# Altium PCB Digitalizador_RPi.PcbDoc (part 2 of 3)
Units mm, origin at the board's own origin, x right, y up, seen from the top; angles counter-clockwise.
Board outline 132.08 x 105.41 mm, 2 copper layers (Top Layer, Bottom Layer); 278 components, 186 nets, 854 pads, 225 vias.
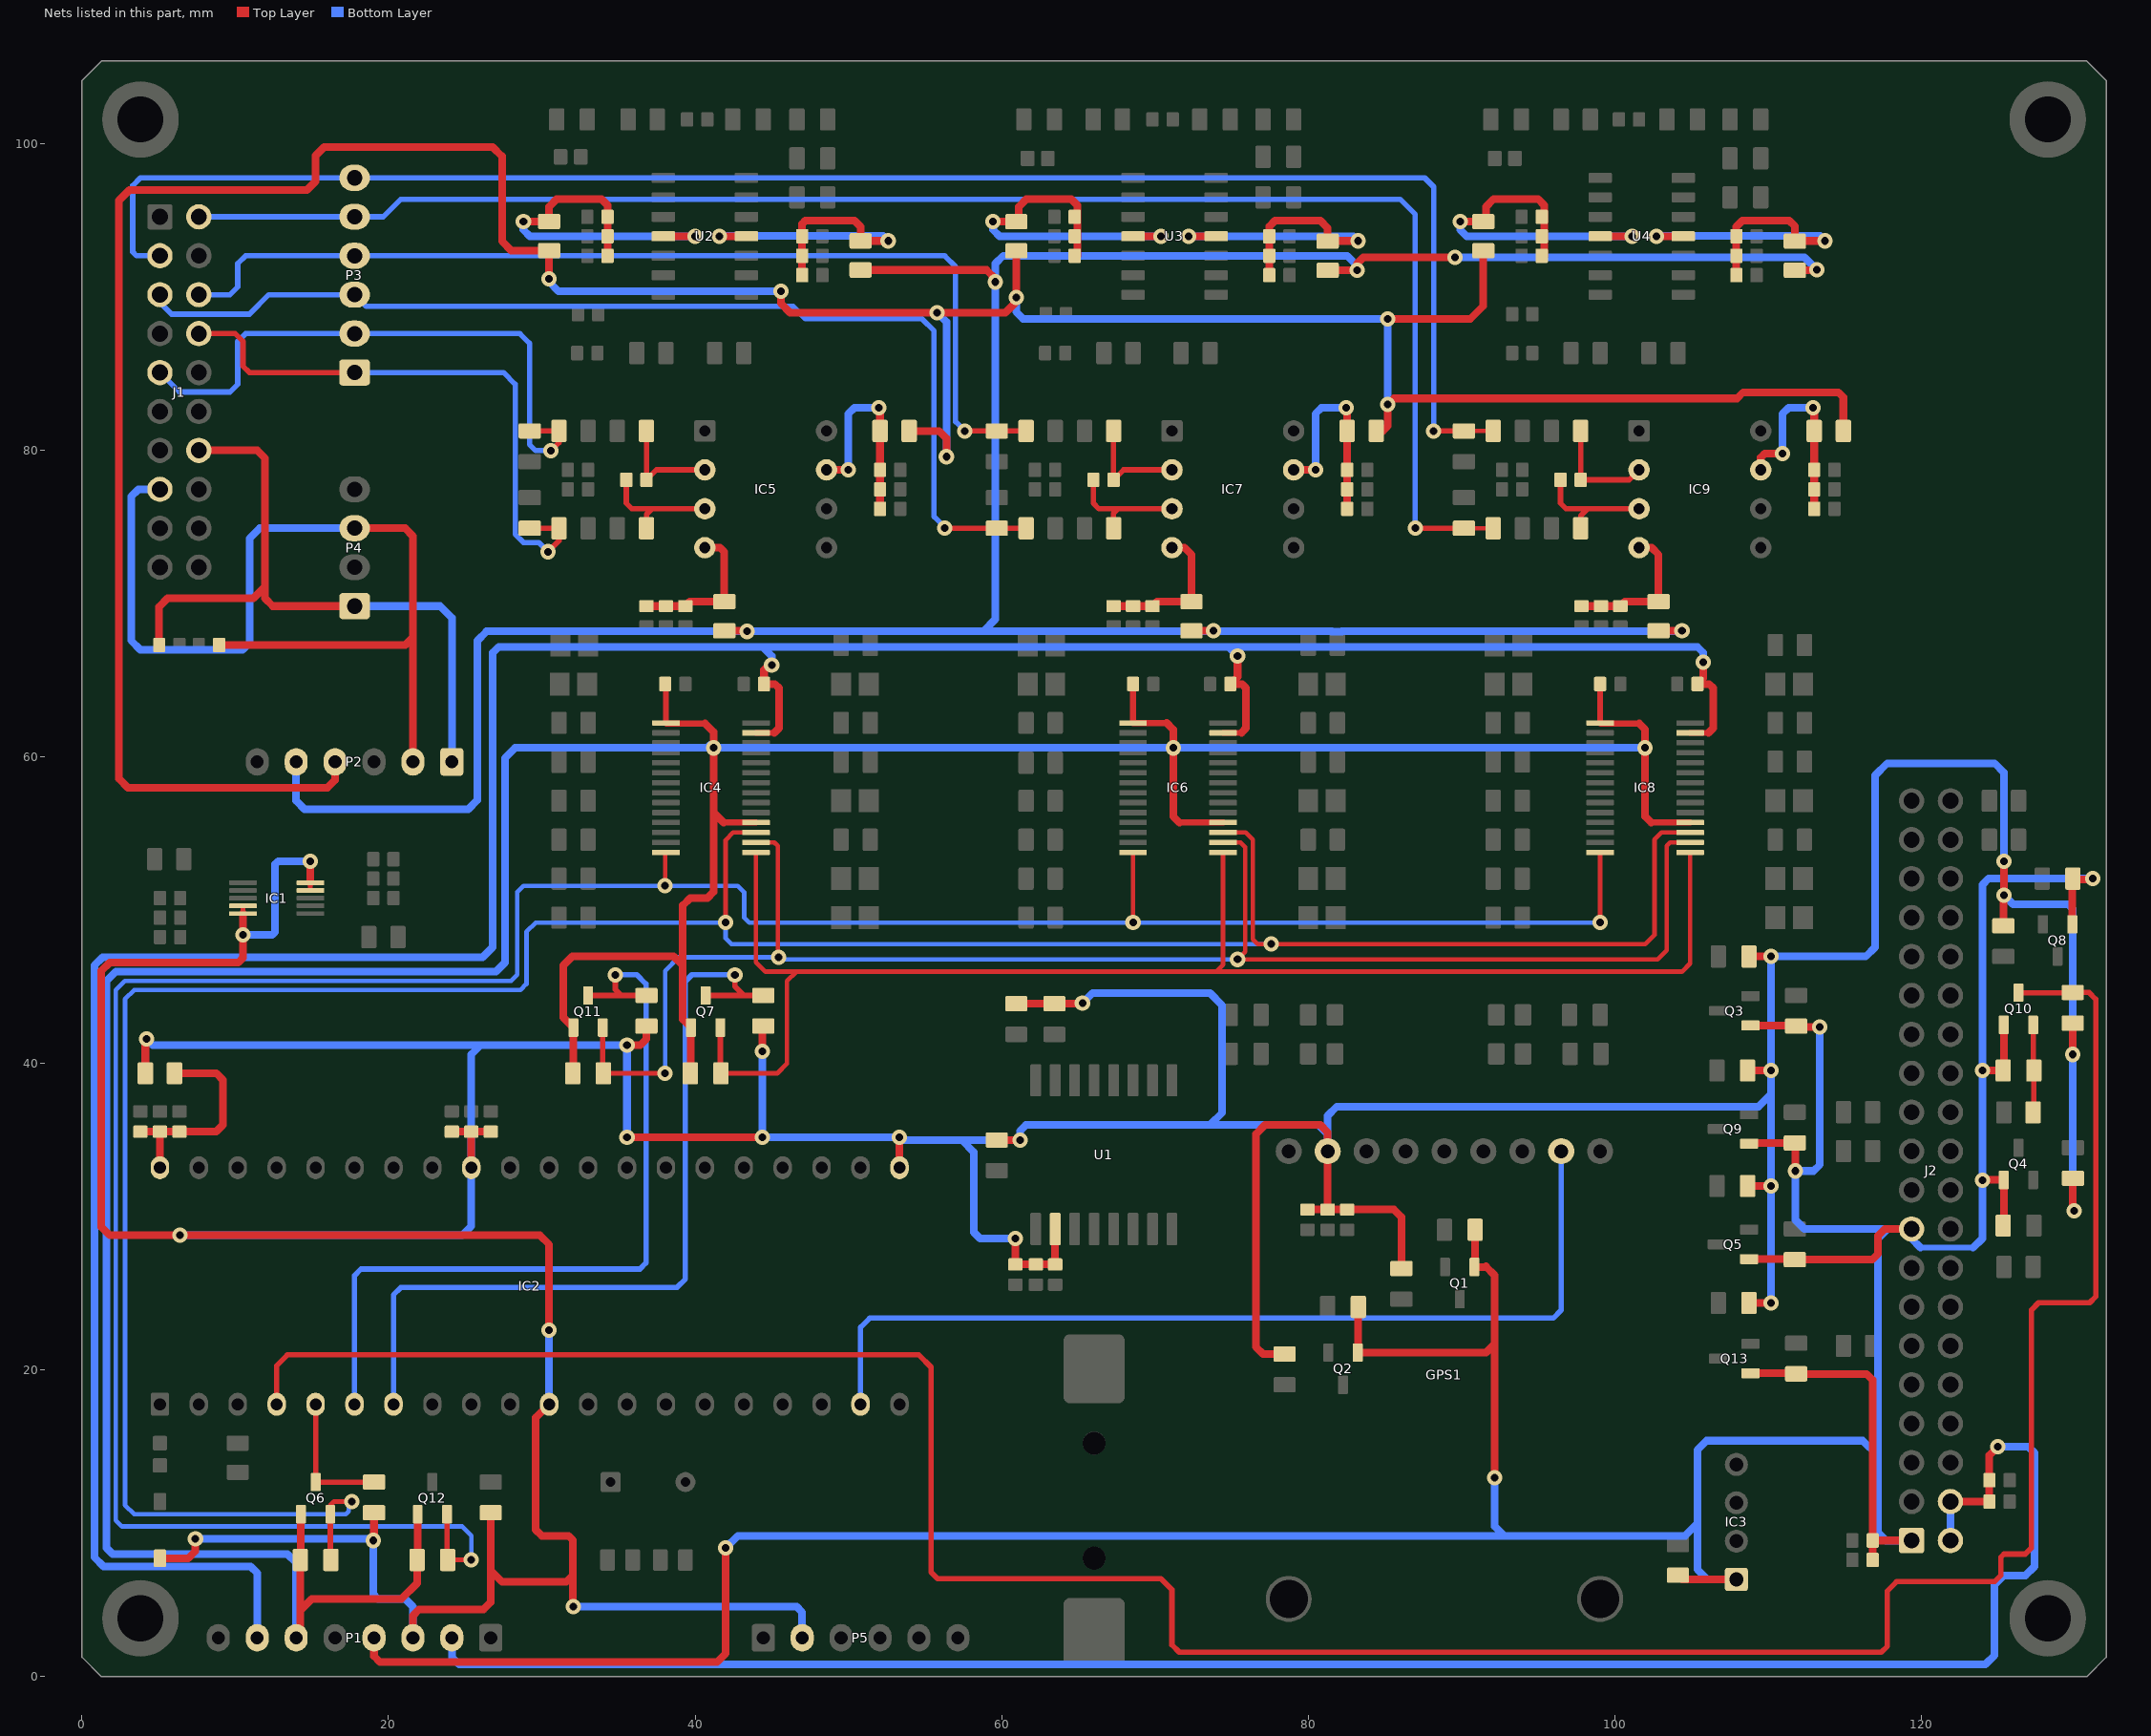
[diagram p2: the nets of this part, all layers, seen from the top]

## Part data
BT1: "Battery Holder", JLCPCB Basic=No, JLCPCB Part #=C969906, Manufacturer_Name=Q&J, Package=BAT-SMD, Datasheet Link=https://datasheet.lcsc.com/lcsc/2101071835_Q&J-CR1220-2ZX_C969906.pdf, Height=4mm, Info="SMD Battery Box/Battery Holders ROHS", JLCPCB Price=0.2596, Manufacturer_Part_Number=CR1220-2ZX
C1 C4 C9 C12 C19 C22 C29 C32 C42 C45 C50 C53 C63 C66 C71 C74 C84 C87: "Capacitor", JLCPCB Part #=C15849, Manufacturer_Name="Samsung Electro-Mechanics", Mouser Part Number=187-CL10A105KB8NNNC, Package=0603, Arrow Part Number=CL10A105KB8NNNC, Arrow Price/Stock=https://www.arrow.com/en/products/cl10a105kb8nnnc/samsung-electro-mechanics, Datasheet Link=http://www.samsungsem.com/kr/support/product-search/mlcc/__icsFiles/afieldfile/2018/06/20/CL10A105KB8NNNC.pdf, Height=0.9mm, JLCPCB Price=0.0125, Manufacturer_Part_Number=CL10A105KB8NNNC, Mouser Price/Stock=https://www.mouser.co.uk/ProductDetail/Samsung-Electro-Mechanics/CL10A105KB8NNNC?qs=ktYoCbbtCSJz4pFCLWXd5g%3D%3D
C2 C5 C7 C8 C10 C13 C15 C17 C20 C23 C30 C33 C36 C37 C43 C46 C51 C54 C57 C58 C64 C67 C72 C75 C78 C79 C85 C88: "Capacitor", JLCPCB Part #=C14663, Manufacturer_Name="YAGEO (PHYCOMP)", Mouser Part Number=603-CC603KRX7R9BB104, Package=0603, Arrow Part Number=CC0603KRX7R9BB104, Arrow Price/Stock=https://www.arrow.com/en/products/cc0603krx7r9bb104/yageo, Datasheet Link=http://componentsearchengine.com/Datasheets/3/CC0603KRX7R9BB104.pdf, Height=0.9mm, JLCPCB Price=0.0066, Manufacturer_Part_Number=CC0603KRX7R9BB104, Mouser Price/Stock=https://www.mouser.co.uk/ProductDetail/Yageo/CC0603KRX7R9BB104?qs=vTakOoo5QyLvVCYM2ge8LQ%3D%3D
C3 C6 C11 C14 C16 C18 C21 C24 C31 C34 C38 C44 C47 C52 C55 C59 C65 C68 C73 C76 C80 C86 C89: "Capacitor", JLCPCB Basic=Yes, JLCPCB Part #=C57112, Manufacturer_Name="Fenghua Advanced Technology (Holding) CO.", Package=0603, Datasheet Link=https://www.datasheets360.com/pdf/5043620394403009653, Height=0.9mm, Info="X7R ±10% 50V 10nF 0603 Multilayer Ceramic Capacitors MLCC - SMD/SMT ROHS", JLCPCB Price=0.0049, Manufacturer_Part_Number=0603B103K500NT
C25 C26: "Capacitor", JLCPCB Basic=Yes, JLCPCB Part #=C1798, Manufacturer_Name="Samsung Electro-Mechanics", Mouser Part Number=N/A, Package=0805, Datasheet Link=http://uk.rs-online.com/web/p/products/7665815, Height=0.75mm, Info="C0G 20pF ±5% 50V 0805 Multilayer Ceramic Capacitors MLCC - SMD/SMT ROHS", JLCPCB Price=0.014, Manufacturer_Part_Number=CL21C200JBANNNC, Mouser Price/Stock=https://www.mouser.com/Search/Refine.aspx?Keyword=N%2FA
C27 C48 C69: "Capacitor", JLCPCB Basic=Yes, JLCPCB Part #=C1623, Manufacturer_Name="Samsung Electro-Mechanics", Package=0603, Datasheet Link=https://datasheet.lcsc.com/lcsc/1810261513_Samsung-Electro-Mechanics-CL10B474KA8NNNC_C1623.pdf, Height=0.9mm, Info="X7R 25V ±10% 470nF 0603 Multilayer Ceramic Capacitors MLCC - SMD/SMT ROHS", JLCPCB Price=0.0128, Manufacturer_Part_Number=CL10B474KA8NNNC
C28 C49 C70: "Capacitor", LatestRevisionDate=17-Jul-2002, LatestRevisionNote="Re-released for DXP Platform.", PackageDescription="Radial Cap, Thru-Hole; 2 Leads; 0.3 in Pin Spacing", PackageReference=RAD-0.3, Published=8-Jun-2000, Publisher="Altium Limited"
C35 C39 C56 C60 C77 C81: "Capacitor", JLCPCB Part #=C1588, Manufacturer_Name="Samsung Electro-Mechanics", Mouser Part Number=187-CL10B102KB8NNNC, Package=0603, Arrow Part Number=CL10B102KB8NNNC, Arrow Price/Stock=https://www.arrow.com/en/products/cl10b102kb8nnnc/samsung-electro-mechanics?region=nac, Datasheet Link=https://componentsearchengine.com/Datasheets/2/CL10B102KB8NNNC.pdf, Height=0.9mm, JLCPCB Price=0.0074, Manufacturer_Part_Number=CL10B102KB8NNNC, Mouser Price/Stock=https://www.mouser.co.uk/ProductDetail/Samsung-Electro-Mechanics/CL10B102KB8NNNC?qs=349EhDEZ59ooQTCVhaHrjw%3D%3D
C40 C61 C82: "Capacitor", JLCPCB Basic=Yes, JLCPCB Part #=C1615, Manufacturer_Name="FH(Guangdong Fenghua Advanced Tech)", Package=0603, Datasheet Link=https://datasheet.lcsc.com/lcsc/1811061811_FH-Guangdong-Fenghua-Advanced-Tech-0603B334K250NT_C1615.pdf, Height=0.9mm, Info="X7R 25V ±10% 330nF 0603 Multilayer Ceramic Capacitors MLCC - SMD/SMT ROHS", JLCPCB Price=0.0226, Manufacturer_Part_Number=0603B334K250NT
C41 C62 C83: "Capacitor", JLCPCB Basic=Yes, JLCPCB Part #=C31658, Manufacturer_Name="Samsung Electro-Mechanics", Package=0603, Datasheet Link=https://datasheet.lcsc.com/lcsc/1811072020_Samsung-Electro-Mechanics-CL10B683KB8NNNC_C31658.pdf, Height=0.9mm, Info="X7R ±10% 68nF 50V 0603 Multilayer Ceramic Capacitors MLCC - SMD/SMT ROHS", JLCPCB Price=0.0107, Manufacturer_Part_Number=CL10B683KB8NNNC
D1: "Diode", Arrow Part Number=MMSD4148T1G, JLCPCB Basic=Yes, JLCPCB Part #=C81598, Manufacturer_Name="ON Semiconductor", Mouser Part Number=863-MMSD4148T1G, Package=SOD-123, Arrow Price/Stock=https://www.arrow.com/en/products/mmsd4148t1g/on-semiconductor, Datasheet Link=http://www.onsemi.com/pub/Collateral/MMSD4148T1-D.PDF, Height=1.35mm, Info="+150? (Tj) 150mA - 4ns 1uA 75V 1.25V 150mA Single 400mW 75V SOD-123 Switching Diode ROHS", JLCPCB Price=0.017, Manufacturer_Part_Number=MMSD4148T1G, Mouser Price/Stock=https://www.mouser.co.uk/ProductDetail/ON-Semiconductor/MMSD4148T1G?qs=P4IOph%252Bbot9zwOmK%2F4hkww%3D%3D
D2 D4: "LED", JLCPCB Part #=C84256, Manufacturer="Foshan NationStar Optoelectronics", Package=LED_0805, ComponentLink1Description="LCSC Part Link", ComponentLink1URL=https://lcsc.com/product-detail/Light-Emitting-Diodes-LED_Red-LED-SMDLED-80-180mcd_C84256.html/?href=jlc-SMT, ComponentLink2Description="Mouser Part Link", ComponentLink3Description="Datasheet Link", ComponentLink3URL=https://datasheet.lcsc.com/lcsc/2008201032_Foshan-NationStar-Optoelectronics-NCD0805R1_C84256.pdf, Info="Red 615~630nm 0805 Light Emitting Diodes (LED) ROHS", JLCPCB Price=0.0199, MFR.Part #=NCD0805R1
D3 D5: "LED", JLCPCB Part #=C2293, Manufacturer="Hubei KENTO Elec", Package=LED_0805, ComponentLink1Description="LCSC Part Link", ComponentLink2Description="Mouser Part Link", ComponentLink3Description="Datasheet Link", ComponentLink3URL=https://datasheet.lcsc.com/lcsc/1806130620_Hubei-KENTO-Elec-C2293_C2293.pdf, Info="0805 Light Emitting Diodes (LED) RoHS", JLCPCB Price=0.0137, MFR.Part #=XL-0805QBC
GPS1: "GPS"
IC1: "Integrated Circuit", Manufacturer_Name="Maxim Integrated", Mouser Part Number=700-MAX6072AAUB50+, Package=uMAX-10, Datasheet Link=https://datasheets.maximintegrated.com/en/ds/MAX6072.pdf, Height=1.1mm, Manufacturer_Part_Number=MAX6072AAUB50+, Mouser Price/Stock=https://www.mouser.com/Search/Refine.aspx?Keyword=700-MAX6072AAUB50%2B
IC2: "Integrated Circuit", Arrow Part Number=DSPIC30F4013-30I/P, JLCPCB Basic=No, JLCPCB Part #=C111958, Manufacturer_Name=Microchip, Mouser Part Number=579-DSPF401330IP, Package=DIP-40, Arrow Price/Stock=https://www.arrow.com/en/products/dspic30f4013-30ip/microchip-technology?region=nac, Datasheet Link=https://componentsearchengine.com/Datasheets/2/DSPIC30F4013-30I_P.pdf, Height=6.35mm, Info="2.5V ~ 5.5V 16-Bit dsPIC 30MIPs FLASH DIP-40 MICROCHIP ROHS", JLCPCB Price=7.6237, Manufacturer_Part_Number=DSPIC30F4013-30I/P, Mouser Price/Stock=https://www.mouser.co.uk/ProductDetail/Microchip-Technology/dsPIC30F4013-30I-P?qs=nMCt4TBfEwr1XpbqL2e4Tw%3D%3D
IC3: "Integrated Circuit", Manufacturer_Name="Aosong Electronics", Datasheet Link=https://datasheet4u.com/datasheet-parts/DHT22-datasheet.php?id=792211, Height=25.1mm, Manufacturer_Part_Number=DHT22
IC4 IC6 IC8: "Integrated Circuit", JLCPCB Basic=No, JLCPCB Part #=C408400, Manufacturer_Name="Analog Devices", Mouser Part Number=584-ADG706BRUZ-R7, Package=TSSOP-28_4.4x9.7x0.65P, Arrow Part Number=ADG706BRUZ-REEL7, Arrow Price/Stock=https://www.arrow.com/en/products/adg706bruz-reel7/analog-devices?region=nac, Datasheet Link=https://componentsearchengine.com/Datasheets/1/ADG706BRUZ-REEL7.pdf, Height=1.2mm, Info="TSSOP-28 Analog Switches & Multiplexers ROHS", JLCPCB Price=8.6662, Manufacturer_Part_Number=ADG706BRUZ-REEL7, Mouser Price/Stock=https://www.mouser.co.uk/ProductDetail/Analog-Devices/ADG706BRUZ-REEL7?qs=BpaRKvA4VqGGcUVhZYQVqg%3D%3D
IC5 IC7 IC9: "Integrated Circuit", JLCPCB Basic=No, JLCPCB Part #=C38890, Manufacturer_Name="Texas Instruments", Mouser Part Number=595-INA114AP, Package=DIP-8_L9.2-W6.4-P2.54-LS8.7-BL, Arrow Part Number=INA114AP, Arrow Price/Stock=https://www.arrow.com/en/products/ina114ap/texas-instruments, Datasheet Link=http://www.ti.com/lit/ds/symlink/ina114.pdf, Height=5.08mm, Info="1MHz 1 Instrumentation - 0.6 V/us 4.5V ~ 36V, ±2.25V ~ 18V DIP-8 Instrumentation OpAmps ROHS", JLCPCB Price=8.1654, Manufacturer_Part_Number=INA114AP, Mouser Price/Stock=https://www.mouser.co.uk/ProductDetail/Texas-Instruments/INA114AP?qs=VBduBm9rCJQ83rY0xAdPIQ%3D%3D
J1: library part PEINETA-2x10P, "Conector", Arrow Part Number=0010897200, Manufacturer_Name=Molex, Mouser Part Number=N/A, Arrow Price/Stock=https://www.arrow.com/en/products/0010897200/molex, Datasheet Link=http://www.molex.com/pdm_docs/sd/010897200_sd.pdf, Height=8.64mm, Manufacturer_Part_Number=0010897200, Mouser Price/Stock=https://www.mouser.com/Search/Refine.aspx?Keyword=N%2FA
J2: "Connector", Arrow Part Number=2-826656-0, Manufacturer_Name="TE Connectivity", Mouser Part Number=571-2-826656-0, Arrow Price/Stock=https://www.arrow.com/en/products/2-826656-0/te-connectivity, Datasheet Link=http://www.te.com/commerce/DocumentDelivery/DDEController?Action=srchrtrv&DocNm=826629&DocType=Customer+Drawing&DocLang=English, Height=8.6mm, Manufacturer_Part_Number=2-826656-0, Mouser Price/Stock=https://www.mouser.co.uk/ProductDetail/TE-Connectivity/2-826656-0?qs=DbJIyW2JsP5LY4FmR2by3A%3D%3D
P1: library part PEINETA-8X1P, "Conector"
P2 P5: library part PEINETA-6X1P, "Conector"
P3: library part MOLEX-6P, "Conector"
P4: library part MOLEX-4P, "Conector"
Q1 Q2 Q3 Q4 Q5 Q6 Q7 Q8 Q9 Q10 Q11 Q12 Q13: "MOSFET (N-Channel)", JLCPCB Basic=Yes, JLCPCB Part #=C8545, Manufacturer_Name=Vishay, Mouser Part Number=781-2N7002, Package=SOT-23-3, Datasheet Link=https://www.diodes.com/assets/Datasheets/ds11303.pdf, Height=1.2mm, Info="2.5V 250uA 0.115A 60V N Channel 7.5O 500mA,10V 0.2W SOT-23(SOT-23-3) MOSFETs ROHS", JLCPCB Price=0.0271, Manufacturer_Part_Number=2N7002, Mouser Price/Stock=https://www.mouser.co.uk/ProductDetail/Vishay-Siliconix/2N7002?qs=xBpwZ0JX2zKeuvZKtdYLZQ%3D%3D
R1 R6 R10 R18 R57 R91 R125: "Resistor", JLCPCB Basic=Yes, JLCPCB Part #=C17415, Manufacturer_Name="UNI-ROYAL(Uniroyal Elec)", Package=0805, Datasheet Link=https://datasheet.lcsc.com/lcsc/2110251730_UNI-ROYAL-Uniroyal-Elec-0805W8F100JT5E_C17415.pdf, Height=0.65mm, Info="±1% 10O ±400ppm/? 0.125W 0805 Chip Resistor - Surface Mount ROHS", JLCPCB Price=0.0043, Manufacturer_Part_Number=0805W8F100JT5E
R2 R3 R7 R19 R28 R65 R99 R133: "Resistor", JLCPCB Basic=Yes, JLCPCB Part #=C17673, Manufacturer_Name="UNI-ROYAL(Uniroyal Elec)", Package=0805, Datasheet Link=https://datasheet.lcsc.com/lcsc/1808281533_UNI-ROYAL-Uniroyal-Elec-0805W8F4701T5E_C17673.pdf, Height=0.65mm, Info="±1% 4.7kO ±100ppm/? 0.125W 0805 Chip Resistor - Surface Mount ROHS", JLCPCB Price=0.0043, Manufacturer_Part_Number=0805W8F4701T5E
R4 R5 R8 R9 R11 R12 R14 R15 R16 R17 R20 R21 R22 R23 R25 R26 R33 R34 R35 R36 R37 R38 R39 R40 R41 R42 R43 R44 R69 R74 R79 R80 R103 R108 R113 R114 R137 R142 R147 R148: "Resistor", JLCPCB Basic=Yes, JLCPCB Part #=C17513, Manufacturer_Name="UNI-ROYAL(Uniroyal Elec)", Package=0805, Datasheet Link=https://datasheet.lcsc.com/lcsc/1811022111_UNI-ROYAL-Uniroyal-Elec-0805W8F1001T5E_C17513.pdf, Height=0.65mm, Info="±1% ±100ppm/? 1kO 0.125W 0805 Chip Resistor - Surface Mount ROHS", JLCPCB Price=0.0046, Manufacturer_Part_Number=0805W8F1001T5E
R13: "Resistor", JLCPCB Part #=C23162, Manufacturer="UNI-ROYAL(Uniroyal Elec)", Package=0603, ComponentLink1Description="LCSC Part Link", ComponentLink2Description="Mouser Part Link", ComponentLink3Description="Datasheet Link", ComponentLink3URL=https://datasheet.lcsc.com/lcsc/1811021212_UNI-ROYAL-Uniroyal-Elec-0603WAF5101T5E_C23186.pdf, JLCPCB Price=0.0025, MFR.Part #=0603WAF4701T5E
R24: "Resistor", JLCPCB Part #=C17414, Manufacturer="UNI-ROYAL(Uniroyal Elec)", Package=0805, ComponentLink1Description="LCSC Part Link", ComponentLink1URL=https://lcsc.com/product-detail/Chip-Resistor-Surface-Mount_Uniroyal-Elec-0805W8F1002T5E_C17414.html/?href=jlc-SMT, ComponentLink2Description="Mouser Part Link", ComponentLink3Description="Datasheet Link", ComponentLink3URL=https://datasheet.lcsc.com/szlcsc/Uniroyal-Elec-0805W8F1002T5E_C17414.pdf, JLCPCB Price=0.0037, MFR.Part #=0805W8F1002T5E
R27 R29 R30 R31 R32 R45 R46 R47 R48 R63 R77 R78 R81 R82 R97 R111 R112 R115 R116 R131 R145 R146: "Resistor", JLCPCB Basic=Yes, JLCPCB Part #=C17714, Manufacturer_Name="UNI-ROYAL(Uniroyal Elec)", Package=0805, Datasheet Link=https://datasheet.lcsc.com/szlcsc/Uniroyal-Elec-0805W8F470JT5E_C17714.pdf, Height=0.65mm, Info="±1% ±200ppm/? 47O 0.125W 0805 Chip Resistor - Surface Mount ROHS", JLCPCB Price=0.0042, Manufacturer_Part_Number=0805W8F470JT5E
R49 R50 R67 R75 R76 R83 R84 R101 R109 R110 R117 R118 R135 R143 R144: "Resistor", JLCPCB Basic=Yes, JLCPCB Part #=C17408, Manufacturer_Name="UNI-ROYAL(Uniroyal Elec)", Package=0805, Datasheet Link=https://datasheet.lcsc.com/szlcsc/Uniroyal-Elec-0805W8F1000T5E_C17408.pdf, Height=0.65mm, Info="±1% ±100ppm/? 100O 0.125W 0805 Chip Resistor - Surface Mount ROHS", JLCPCB Price=0.0042, Manufacturer_Part_Number=0805W8F1000T5E
R51 R85 R119: "Resistor", JLCPCB Basic=Yes, JLCPCB Part #=C17837, Manufacturer_Name="UNI-ROYAL(Uniroyal Elec)", Package=0805, Datasheet Link=https://datasheet.lcsc.com/szlcsc/Uniroyal-Elec-0805W8F8200T5E_C17837.pdf, Height=0.65mm, Info="±1% ±100ppm/? 0.125W 820O 0805 Chip Resistor - Surface Mount ROHS", JLCPCB Price=0.0044, Manufacturer_Part_Number=0805W8F8200T5E
R52 R53 R54 R60 R68 R71 R86 R87 R88 R94 R102 R105 R120 R121 R122 R128 R136 R139: "Resistor", LatestRevisionDate=17-Jul-2002, LatestRevisionNote="Re-released for DXP Platform.", PackageDescription="Axial Device, Thru-Hole; 2 Leads; 0.3 in Pin Spacing", PackageReference=AXIAL-0.3, Published=8-Jun-2000, Publisher="Altium Limited"
R55 R61 R89 R95 R123 R129: "Resistor", JLCPCB Basic=Yes, JLCPCB Part #=C26010, Manufacturer_Name=UniOhm, Package=0805, Datasheet Link=https://datasheet.lcsc.com/szlcsc/Uniroyal-Elec-0805W8F3301T5E_C26010.pdf, Height=0.65mm, Info="3.3kO ±1% ±100ppm/? 0.125W 0805 Chip Resistor - Surface Mount ROHS", JLCPCB Price=0.0046, Manufacturer_Part_Number=0805W8F3301T5E
R56 R72 R90 R106 R124 R140: "Resistor", JLCPCB Basic=Yes, JLCPCB Part #=C4328, Manufacturer_Name="Uniroyal Elec", Package=0805, Datasheet Link=https://datasheet.lcsc.com/lcsc/1809271724_UNI-ROYAL-Uniroyal-Elec-0805W8F2002T5E_C4328.pdf, Height=0.65mm, Info="±1% ±100ppm/? 20kO 0.125W 0805 Chip Resistor - Surface Mount ROHS", JLCPCB Price=0.0042, Manufacturer_Part_Number=0805W8F2002T5E
R58 R92 R126: "Resistor", JLCPCB Basic=Yes, JLCPCB Part #=C17772, Manufacturer_Name="UNI-ROYAL(Uniroyal Elec)", Package=0805, Datasheet Link=https://datasheet.lcsc.com/lcsc/1810301621_UNI-ROYAL-Uniroyal-Elec-0805W8F6801T5E_C17772.pdf, Height=0.65mm, Info="6.8kO ±1% ±100ppm/? 0.125W 0805 Chip Resistor - Surface Mount ROHS", JLCPCB Price=0.0045, Manufacturer_Part_Number=0805W8F6801T5E
R59 R93 R127: "Resistor", JLCPCB Basic=Yes, JLCPCB Part #=C17561, Manufacturer_Name="Uniroyal Elec", Package=0805, Datasheet Link=https://datasheet.lcsc.com/szlcsc/Uniroyal-Elec-0805W8F220JT5E_C17561.pdf, Height=0.65mm, Info="±1% ±200ppm/? 22O 0.125W 0805 Chip Resistor - Surface Mount ROHS", JLCPCB Price=0.0042, Manufacturer_Part_Number=0805W8F220JT5E
R62 R96 R130: "Resistor", JLCPCB Basic=Yes, JLCPCB Part #=C17828, Manufacturer_Name="UNI-ROYAL(Uniroyal Elec)", Package=0805, Datasheet Link=https://datasheet.lcsc.com/lcsc/1810301623_UNI-ROYAL-Uniroyal-Elec-0805W8F8201T5E_C17828.pdf, Height=0.65mm, Info="±1% ±100ppm/? 8.2kO 0.125W 0805 Chip Resistor - Surface Mount ROHS", JLCPCB Price=0.0042, Manufacturer_Part_Number=0805W8F8201T5E
R64 R98 R132: "Resistor", JLCPCB Basic=Yes, JLCPCB Part #=C17719, Manufacturer_Name="UNI-ROYAL(Uniroyal Elec)", Package=0805, Datasheet Link=https://datasheet.lcsc.com/lcsc/1810301830_UNI-ROYAL-Uniroyal-Elec-0805W8F4992T5E_C17719.pdf, Height=0.65mm, Info="±1% 49.9kO ±100ppm/? 0.125W 0805 Chip Resistor - Surface Mount ROHS", JLCPCB Price=0.0046, Manufacturer_Part_Number=0805W8F4992T5E
R66 R100 R134: "Resistor", JLCPCB Basic=Yes, JLCPCB Part #=C17506, Manufacturer_Name="UNI-ROYAL(Uniroyal Elec)", Package=0805, Datasheet Link=https://datasheet.lcsc.com/lcsc/1810301816_UNI-ROYAL-Uniroyal-Elec-0805W8F1802T5E_C17506.pdf, Height=0.65mm, Info="18kO ±1% ±100ppm/? 0.125W 0805 Chip Resistor - Surface Mount ROHS", JLCPCB Price=0.0041, Manufacturer_Part_Number=0805W8F1802T5E
R70 R104 R138: "Resistor", JLCPCB Basic=Yes, JLCPCB Part #=C25270, Manufacturer_Name="UNI-ROYAL(Uniroyal Elec)", Package=0805, Datasheet Link=https://datasheet.lcsc.com/lcsc/1810301611_UNI-ROYAL-Uniroyal-Elec-0805W8F1800T5E_C25270.pdf, Height=0.65mm, Info="±1% ±100ppm/? 180O 0.125W 0805 Chip Resistor - Surface Mount ROHS", JLCPCB Price=0.0043, Manufacturer_Part_Number=0805W8F1800T5E
R73 R107 R141: "Resistor", JLCPCB Basic=Yes, JLCPCB Part #=C17655, Manufacturer_Name="UNI-ROYAL(Uniroyal Elec)", Package=0805, Datasheet Link=https://datasheet.lcsc.com/szlcsc/Uniroyal-Elec-0805W8F3900T5E_C17655.pdf, Height=0.65mm, Info="±1% 390O ±100ppm/? 0.125W 0805 Chip Resistor - Surface Mount ROHS", JLCPCB Price=0.0044, Manufacturer_Part_Number=0805W8F3900T5E
U1: "Undefined or Miscellaneous", JLCPCB Part #=C2651514, Manufacturer_Name="Maxim Integrated", Mouser Part Number=700-DS3231S#, Package=SOIC-16_7.5x10.3x1.27P, Datasheet Link=https://datasheets.maximintegrated.com/en/ds/DS3231.pdf, Height=2.65mm, Info="YY-MM-DD-dd HH:MM:SS (12/24 hr) I2C, 2-Wire Serial - Clock/Calendar SOIC-16_300mil Real-time Clocks ROHS", JLCPCB Price=6.9493, Manufacturer_Part_Number=DS3231S#, Mouser Price/Stock=https://www.mouser.co.uk/ProductDetail/Maxim-Integrated/DS3231S?qs=1eQvB6Dk1vjWzhQl%252Bd1TBA%3D%3D
U2 U3 U4: "Integrated Circuit Operational Amplifier", JLCPCB Basic=No, JLCPCB Part #=C12601, Manufacturer_Name="Texas Instruments", Mouser Part Number=595-TL084IDR, Package=SOIC-14_3.9x8.7x1.27P, Arrow Part Number=TL084IDR, Arrow Price/Stock=https://www.arrow.com/en/products/tl084idr/texas-instruments?region=nac, Datasheet Link=http://www.ti.com/lit/ds/symlink/tl082.pdf, Height=1.75mm, Info="3MHz 4 J-FET 1.4mA 13 V/us 7V~36V,±3.5V~18V SOIC-14_150mil FET InputAmplifiers ROHS", JLCPCB Price=0.3879, Manufacturer_Part_Number=TL084IDR, Mouser Price/Stock=https://www.mouser.co.uk/ProductDetail/Texas-Instruments/TL084IDR?qs=UGVLDq%2F29uhRaWn16yu8Iw%3D%3D
Y1: "Crystal or Oscillator", Manufacturer_Name=ECS, Mouser Part Number=520-HCU1500-SX, Datasheet Link=https://www.mouser.com/datasheet/2/122/hc_49usx-791.pdf, Height=3.5mm, Manufacturer_Part_Number=ECS-150-S-4X, Mouser Price/Stock=https://www.mouser.co.uk/ProductDetail/ECS/ECS-150-S-4X?qs=CNVyLAqdhH0ApkrFVt8qwg%3D%3D

## Free pads (board coordinates)
  round 5 hole 3: 20(3.81,3.81) 20(3.81,101.6) 20(128.27,3.81) 20(128.27,101.6)

## Via types
v1: diameter 1, hole 0.5, Top Layer to Bottom Layer, tented both sides, 225 vias

## Nets (pads, with @x,y where several pads share a name; then routed paths per layer and width w, separated by ;. In a path a pad name is that pad's centre, name@x,y a point inside that pad or via, vN(x,y) a via of type N, cw(c..) or ccw(c..) an arc to the next point about the centre after c; other vN are vias at no path point)
+2.5V: C36.1 C57.1 C78.1 IC4.1 IC4.18 IC6.1 IC6.18 IC8.1 IC8.18 P1.6 Q6.1 Q7.1 Q11.1 Q12.1 R20.1 R22.1 R38.1 R40.1 | length 267.7
  Top Layer w0.4: IC4.1@38.1,62.23 C36.1@38.1,64.72 ; IC4.1@38.13,62.2 40.64,62.2 ; 41.87,55.73 IC4.18@43.976,55.73 ; C57.1@68.58,64.77 IC6.1@68.58,62.23 70.77,62.23 ; 71.604,55.73 IC6.18@74.456,55.73 ; IC8.1@99.06,62.23 C78.1@99.06,64.77 ; IC8.1@99.09,62.2 101.6,62.2 ; 102.404,55.73 IC8.18@104.936,55.73
  Top Layer w0.5: P1.6@13.97,2.54 14.24,2.81 14.24,4.334 ; Q6.1@14.28,10.6 14.28,7.66 R20.1@14.24,7.62 14.24,4.334 ; Q12.1@21.9,10.6 21.9,7.66 R40.1@21.86,7.62 21.86,6.112 20.828,5.08 14.986,5.08 14.24,4.334 ; R38.1@32.02,39.37 32.06,39.41 Q11.1@32.06,42.35 31.4,43.01 31.4,46.4 32,47 38.6,47 39.2,46.4 ; C36.1@38.05,64.77 C36.1@38.1,64.72 ; R22.1@39.69,39.37 39.73,39.41 Q7.1@39.73,42.35 39.2,42.88 39.2,46.4 ; 40.64,62.2 41.2,61.64 v1(41.2,60.6) 41.2,56.4 ; 41.87,55.73 41.2,56.4 ; 70.77,62.23 71.2,61.8 v1(71.2,60.6) 71.2,56.134 71.604,55.73 ; 101.6,62.2 102,61.8 v1(102,60.6) 102,56.134 102.404,55.73 ; 39.2,46.4 39.2,50.322 39.678,50.8 40.8,50.8 41.2,51.2 41.2,56.4
  Bottom Layer w0.5: P1.6@13.97,2.54 13.97,7.43 13.4,8 2,8 1.6,8.4 1.6,45.4 2.2,46 27,46 27.6,46.6 27.6,59.94 28.26,60.6 40.8,60.6 41,60.8 v1(41.2,60.6) v1(71.2,60.6) v1(102,60.6)
+3.3V: C15.1 C16.1 IC3.1 J2.1 J2.17 P1.4 Q1.1 Q2.1 Q3.1 Q4.1 Q5.1 Q8.1 Q9.1 Q10.1 Q13.1 R4.1 R8.1 R11.1 R14.1 R16.1 R24.2 R25.1 R34.1 R36.1 R43.1 | length 293.4
  Top Layer w0.5: P1.4@19.05,2.54 19.05,1.35 19.45,0.95 41.44,0.95 42,1.51 v1(42,8.4) ; R8.1@83.28,24.13 83.28,21.19 Q2.1@83.24,21.15 91.61,21.15 92.18,21.72 ; R4.1@90.9,29.16 90.9,26.775 Q1.1@90.86,26.735 91.56,26.735 91.6,26.775 92.18,26.195 92.18,21.72 ; v1(92.18,13) 92.18,21.72 ; R24.2@104.14,6.62 104.41,6.35 IC3.1@107.95,6.35 ; Q5.1@108.78,27.25 111.72,27.25 R16.1@111.76,27.21 116.81,27.21 117.2,27.6 117.2,28.77 117.64,29.21 J2.17@119.38,29.21 ; Q9.1@108.78,34.78 108.83,34.83 R34.1@111.76,34.83 111.8,34.79 v1(111.8,33) ; Q13.1@108.87,19.8 111.81,19.8 R43.1@111.85,19.76 116.44,19.76 116.84,19.36 C15.1@116.84,8.89 ; Q3.1@108.87,42.49 111.81,42.49 R11.1@111.85,42.45 111.9,42.4 v1(113.4,42.4) ; C16.1@116.84,7.62 C15.1@116.84,8.89 ; J2.1@119.38,8.89 C15.1@116.84,8.89 ; v1(124,32.4) 124.011,32.411 Q4.1@125.4,32.411 125.4,29.471 R14.1@125.36,29.431 ; v1(124,39.55) R36.1@125.36,39.55 125.4,39.59 Q10.1@125.4,42.53 ; Q8.1@129.87,49.09 129.87,52.03 131.16,52.03 v1(131.2,52.07)
  Bottom Layer w0.35: 119.96,28 123.4,28
  Bottom Layer w0.5: v1(42,8.4) 42.8,9.2 92.8,9.2 ; v1(92.18,13) 92.18,9.82 92.8,9.2 ; IC3.1@107.95,6.35 106.05,6.35 105.4,7 105.4,10 ; v1(113.4,42.4) 113.4,33.41 112.99,33 v1(111.8,33) 111.8,29.8 112.39,29.21 117.81,29.21 ; J2.1@119.38,8.89 117.71,8.89 117.2,9.4 117.2,14.4 ; 119.96,28 119.38,28.58 J2.17@119.38,29.21 117.81,29.21 ; 123.4,28 124,28.6 v1(124,32.4) v1(124,39.55) 124,51.67 124.4,52.07 v1(131.2,52.07) ; 92.8,9.2 104.6,9.2 105.4,10 ; 105.4,10 105.4,14.8 106,15.4 116.2,15.4 117.2,14.4 ; 117.2,14.4 117.2,28.6 117.81,29.21
+5V: C1.1 C2.1 C3.1 C12.1 C13.1 C14.1 C19.1 C20.1 C21.1 D1.2 GPS1.1 IC1.4 IC1.5 IC1.9 IC1.10 IC2.11 IC2.21 IC2.32 P1.3 P5.2 R2.2 R3.2 R5.1 R7.2 R9.1 R10.1 R12.1 R15.1 R17.1 R21.1 R23.1 R26.1 R35.1 R37.1 R39.1 R41.1 R44.1 U1.2 | length 492.9
  Top Layer w0.3: IC1.5@10.5,49.8 IC1.4@10.5,50.3 ; IC1.9@14.9,51.3 IC1.10@14.9,51.8
  Top Layer w0.5: R10.1@4.13,39.37 4.13,41.53 v1(4.2,41.6) ; D1.2@5.08,7.73 6.93,7.73 7.4,8.2 v1(7.4,9) ; IC1.5@10.5,49.8 v1(10.5,48.4) 10.5,46.9 10.2,46.6 1.8,46.6 1.26,46.06 1.26,29.34 1.8,28.8 v1(6.4,28.8) 29.88,28.8 30.48,28.2 v1(30.48,22.6) ; IC1.10@14.9,51.8 v1(14.9,53.2) ; v1(19,8.89) 19.05,8.94 R21.1@19.05,10.7 ; P1.3@21.59,2.54 21.59,3.99 22,4.4 26.2,4.4 26.67,4.87 26.67,6.93 ; C19.1@24.13,35.56 C20.1@25.4,35.56 ; IC2.32@25.4,33.21 C20.1@25.4,35.56 ; R41.1@26.67,10.7 26.67,6.93 ; C21.1@26.67,35.56 C20.1@25.4,35.56 ; IC2.11@30.48,17.78 29.6,16.9 29.6,9.6 30,9.2 31.739,9.2 32.02,8.919 32.02,6.62 ; v1(32.06,4.572) 32.02,4.612 32.02,6.62 ; v1(35.56,35.2) v1(44.4,35.2) ; v1(35.56,41.2) 36.43,41.2 36.83,41.6 R39.1@36.83,42.45 ; v1(44.4,40.8) 44.4,42.4 R23.1@44.45,42.45 ; IC2.21@53.34,33.21 v1(53.34,35.2) ; R7.2@59.69,35.02 v1(61.2,35.02) ; v1(60.91,28.6) C14.1@60.91,26.901 C13.1@62.23,26.901 C12.1@63.5,26.901 U1.2@63.5,29.21 ; R2.2@60.96,43.91 R3.2@63.45,43.91 65.246,43.91 v1(65.278,43.942) ; R9.1@78.47,21.05 77.06,21.05 76.6,21.51 76.6,35.4 77.2,36 80.8,36 81.28,35.52 GPS1.1@81.28,34.29 C2.1@81.28,30.48 ; C3.1@79.96,30.48 C2.1@81.28,30.48 ; R5.1@86.09,26.635 86.09,30 85.61,30.48 C1.1@82.55,30.48 C2.1@81.28,30.48 ; R17.1@108.68,32.02 v1(110.2,32.02) ; R35.1@108.68,39.55 v1(110.2,39.55) ; R44.1@108.77,24.39 110.19,24.39 v1(110.2,24.4) ; R12.1@108.77,46.99 v1(110.2,46.99) ; R26.1@125.37,48.99 125.37,50.97 v1(125.4,51) v1(125.4,53.2) ; R37.1@129.9,42.64 129.91,42.63 v1(129.91,40.6) ; R15.1@129.91,32.521 129.91,30.49 v1(130,30.4) ; 26.67,6.93 27.4,6.2 31.6,6.2 32.02,6.62
  Bottom Layer w0.5: v1(4.2,41.6) 4.6,41.2 26,41.2 ; v1(6.4,28.8) 24.8,28.8 25.4,29.4 IC2.32@25.4,33.21 25.4,40.6 26,41.2 ; v1(7.4,9) 18.89,9 v1(19,8.89) 19,5.384 19.304,5.08 21.082,5.08 21.59,4.572 P1.3@21.59,2.54 ; v1(10.5,48.4) 12.4,48.4 12.6,48.6 12.6,53 12.8,53.2 v1(14.9,53.2) ; IC2.11@30.48,17.78 v1(30.48,22.6) ; v1(32.06,4.572) 46.628,4.572 46.99,4.21 P5.2@46.99,2.54 ; v1(35.56,35.2) v1(35.56,41.2) 26,41.2 ; v1(44.4,40.8) v1(44.4,35.2) v1(53.34,35.2) 53.52,35.02 57.4,35.02 ; v1(60.91,28.6) 58.6,28.6 58.2,29 58.2,34.22 57.4,35.02 ; v1(65.278,43.942) 65.936,44.6 73.6,44.6 74.4,43.8 74.4,36.8 73.6,36 ; GPS1.1@81.28,34.29 81.28,35.4 ; v1(110.2,24.4) v1(110.2,32.02) 110.2,38 ; v1(125.4,51) 126,50.4 129.6,50.4 129.91,50.09 v1(129.91,40.6) 129.91,30.49 v1(130,30.4) ; v1(125.4,53.2) 125.4,59 124.8,59.6 117.8,59.6 117,58.8 117,47.6 116.39,46.99 v1(110.2,46.99) v1(110.2,39.55) 110.2,38 ; 57.4,35.02 v1(61.2,35.02) 61.2,35.6 61.6,36 73.6,36 ; 73.6,36 80.68,36 81.28,35.4 ; 81.28,35.4 81.28,36.6 81.88,37.2 109.4,37.2 110.2,38
+5V_AVDD: C22.1 C23.1 C24.1 IC2.40 R10.2 | length 14.2
  Top Layer w0.5: C22.1@3.81,35.56 C23.1@5.08,35.56 ; IC2.40@5.08,33.21 C23.1@5.08,35.56 ; R10.2@6.03,39.37 8.77,39.37 9.2,38.94 9.2,36 8.76,35.56 C24.1@6.35,35.56 C23.1@5.08,35.56
+5V_CONM: C17.1 C18.1 J2.2 J2.4 P1.2 | length 128.9
  Top Layer w0.5: J2.4@121.92,11.43 C17.1@124.46,11.43 C18.1@124.46,12.82 124.46,14.46 v1(125,15)
  Bottom Layer w0.5: P1.2@24.13,2.54 24.13,1.27 24.6,0.8 124.2,0.8 124.8,1.4 124.8,6 125.4,6.6 126.8,6.6 127.4,7.2 127.4,14.6 127,15 v1(125,15) ; J2.2@121.92,8.89 J2.4@121.92,11.43
+8V: P2.4 R47.1 R77.1 R81.1 R111.1 R115.1 R145.1 | length 216.8
  Top Layer w0.5: P2.4@16.51,59.69 16.51,58.51 16,58 3,58 2.4,58.6 2.4,96.32 3.08,97 14.68,97 15.24,97.56 15.24,99.24 15.8,99.8 26.798,99.8 27.4,99.198 27.4,93.66 28.01,93.05 R47.1@30.48,93.05 v1(30.48,91.2) ; v1(45.6,90.4) 45.6,89.6 46.2,89 v1(55.8,89) 60.252,89 60.96,89.708 v1(60.96,90) R81.1@60.96,93.03 ; R77.1@53.97,81.28 55.92,81.28 56.4,80.8 v1(56.4,79.6) ; R111.1@84.45,81.28 84.88,81.28 85.2,81.6 v1(85.2,83) 85.6,83.4 107.992,83.4 108.392,83.8 114.6,83.8 114.93,83.47 R145.1@114.93,81.28 ; v1(85.2,88.6) 90.6,88.6 91.44,89.44 R115.1@91.44,93.03
  Bottom Layer w0.5: v1(30.48,91.2) 30.48,91 31.08,90.4 v1(45.6,90.4) ; v1(55.8,89) 56.4,88.4 v1(56.4,79.6) ; v1(60.96,90) 60.96,89.04 61.4,88.6 v1(85.2,88.6) v1(85.2,83)
+8V_INA_CH1: C42.1 C43.1 C44.1 IC5.7 R77.2 | length 13.9
  Top Layer w0.5: IC5.7@48.58,78.74 v1(50,78.74) ; v1(52,82.8) 52.07,82.73 R77.2@52.07,81.28 C44.1@52.07,78.74 C43.1@52.07,77.47 C42.1@52.07,76.2
  Bottom Layer w0.5: v1(50,78.74) 50,82.4 50.4,82.8 v1(52,82.8)
+8V_INA_CH2: C63.1 C64.1 C65.1 IC7.7 R111.2 | length 13.8
  Top Layer w0.5: IC7.7@79.06,78.74 v1(80.48,78.74) ; C65.1@82.55,76.2 C64.1@82.55,77.47 C63.1@82.55,78.74 R111.2@82.55,81.28 v1@82.55,82.73
  Bottom Layer w0.5: v1(80.48,78.74) 80.48,82.4 80.88,82.8 v1(82.48,82.8)
+8V_INA_CH3: C84.1 C85.1 C86.1 IC9.7 R145.2 | length 13.6
  Top Layer w0.5: IC9.7@109.54,78.74 109.54,79.54 109.8,79.8 v1(110.96,79.8) ; C86.1@113.03,76.2 C85.1@113.03,77.47 C84.1@113.03,78.74 R145.2@113.03,81.28 v1@113.03,82.73
  Bottom Layer w0.5: v1(110.96,79.8) 110.96,82.4 111.36,82.8 v1(112.96,82.8)
+8V_TL_CH1: C29.1 C30.1 C31.1 R47.2 U2.4 | length 24.1
  Top Layer w0.5: v1(28.8,94.95) R47.2@30.48,94.95 30.48,95.91 30.97,96.4 33.89,96.4 34.29,96 C29.1@34.29,95.25 C30.1@34.29,93.98 C31.1@34.29,92.71 ; U2.4@37.928,93.98 v1(40,93.98)
  Bottom Layer w0.5: v1(28.8,94.95) 28.8,94.4 29.22,93.98 v1(40,93.98)
+8V_TL_CH2: C50.1 C51.1 C52.1 R81.2 U3.4 | length 24.1
  Top Layer w0.5: v1@59.452,94.95 61.132,94.95 61.132,95.91 61.622,96.4 64.542,96.4 64.942,96 64.942,95.25 64.942,93.98 C52.1@64.942,92.71 ; U3.4@68.58,93.98 v1@70.652,93.98
  Bottom Layer w0.5: v1@59.452,94.95 59.452,94.4 59.872,93.98 v1@70.652,93.98
  other v1: 70.4,93.98 59.436,94.93
+8V_TL_CH3: C71.1 C72.1 C73.1 R115.2 U4.4 | length 24.1
  Top Layer w0.5: v1(89.932,94.95) 91.612,94.95 91.612,95.91 92.102,96.4 95.022,96.4 95.422,96 95.422,95.25 95.422,93.98 C73.1@95.422,92.71 ; U4.4@99.06,93.98 v1(101.132,93.98)
  Bottom Layer w0.5: v1(89.932,94.95) 89.932,94.4 90.352,93.98 v1(101.132,93.98)
+12V: C7.1 J1.14 P2.1 P4.1 | length 45.7
  Top Layer w0.5: C7.1@5.03,67.31 5.03,69.8 5.588,70.358 11.176,70.358 11.938,71.12 ; J1.14@7.62,80.01 11.43,80.01 11.938,79.502 11.938,71.12 ; P4.1@17.78,69.85 12.446,69.85 11.938,70.358 11.938,71.12
  Bottom Layer w0.5: P4.1@17.78,69.85 23.368,69.85 24.13,69.088 P2.1@24.13,59.69
-2.5V: C37.1 C58.1 C79.1 IC4.27 IC6.27 IC8.27 P1.7 | length 203
  Top Layer w0.4: IC4.27@43.976,61.58 45.172,61.58 ; IC6.27@74.456,61.58 75.652,61.58 ; IC8.27@104.936,61.58 106.132,61.58
  Top Layer w0.5: v1(45,66) 44.8,66 44.5,65.7 C37.1@44.5,64.77 45.212,64.77 45.474,64.508 45.474,61.882 45.172,61.58 ; C58.1@74.93,64.77 75.4,65.24 v1(75.4,66.6) ; C58.1@74.98,64.77 75.692,64.77 75.954,64.508 75.954,61.882 75.652,61.58 ; C79.1@105.41,64.77 105.8,65.16 v1(105.8,66.2) ; C79.1@105.46,64.77 106.172,64.77 106.434,64.508 106.434,61.882 106.132,61.58
  Bottom Layer w0.5: P1.7@11.43,2.54 11.43,6.77 11,7.2 1.4,7.2 0.8,7.8 0.8,46 0.8,46.4 1.341,46.941 26.141,46.941 26.8,47.6 26.8,66.8 27.2,67.2 44.4,67.2 ; v1(45,66) 45,66.6 44.4,67.2 ; v1(75.4,66.6) 74.8,67.2 ; v1(105.8,66.2) 105.8,66.8 105.4,67.2 74.8,67.2 ; 44.4,67.2 74.8,67.2
-8V: P2.5 R48.1 R78.1 R82.1 R112.1 R116.1 R146.1 | length 200.9
  Top Layer w0.5: R78.1@41.91,68.24 43.36,68.24 v1(43.4,68.2) ; R48.1@50.8,91.78 59.02,91.78 59.6,91.2 v1(59.6,91) ; R112.1@72.39,68.24 v1(73.832,68.24) ; R82.1@81.28,91.76 v1(83.2,91.76) 83.2,92.2 83.6,92.6 v1(89.6,92.6) ; R146.1@102.87,68.24 v1(104.4,68.24) ; R116.1@111.76,91.76 113.16,91.76 v1(113.2,91.8)
  Bottom Layer w0.5: P2.5@13.97,59.69 13.97,57.15 14.52,56.6 25.2,56.6 25.8,57.2 25.8,67.6 26.4,68.2 v1(43.4,68.2) 58.8,68.2 ; v1(83.2,91.76) 83.252,91.812 83.252,92 82.542,92.71 60.11,92.71 59.6,92.2 v1(59.6,91) 59.6,69 58.8,68.2 ; v1(89.6,92.6) 112.4,92.6 v1(113.2,91.8) ; v1(104.4,68.24) 104.36,68.2 82.214,68.2 82.212,68.198 81.548,68.198 81.546,68.2 58.8,68.2
-8V_INA_CH1: C45.1 C46.1 C47.1 IC5.4 R78.2 | length 9.8
  Top Layer w0.5: C45.1@36.83,69.85 C46.1@38.1,69.85 C47.1@39.37,69.85 39.66,70.14 R78.2@41.91,70.14 41.91,73.38 41.63,73.66 IC5.4@40.64,73.66
-8V_INA_CH2: C66.1 C67.1 C68.1 IC7.4 R112.2 | length 9.7
  Top Layer w0.5: C66.1@67.31,69.85 C67.1@68.58,69.85 C68.1@69.85,69.85 70.14,70.14 R112.2@72.39,70.14 72.39,73.212 71.942,73.66 IC7.4@71.12,73.66
-8V_INA_CH3: C87.1 C88.1 C89.1 IC9.4 R146.2 | length 9.7
  Top Layer w0.5: C87.1@97.84,69.85 C88.1@99.11,69.85 C89.1@100.38,69.85 100.67,70.14 R146.2@102.87,70.14 102.87,73.212 102.422,73.66 IC9.4@101.6,73.66
-8V_TL_CH1: C32.1 C33.1 C34.1 R48.2 U2.11 | length 23
  Top Layer w0.5: v1(41.6,93.98) U2.11@43.352,93.98 ; C34.1@46.99,91.44 C33.1@46.99,92.71 C32.1@46.99,93.98 46.99,94.79 47.2,95 50.4,95 50.8,94.6 R48.2@50.8,93.68 v1(52.6,93.68)
  Bottom Layer w0.5: v1(41.6,93.98) 41.62,94 52.28,94 v1(52.6,93.68)
-8V_TL_CH2: C53.1 C54.1 C55.1 R82.2 U3.11 | length 23.1
  Top Layer w0.5: v1@72.252,93.98 U3.11@74.004,93.98 ; C55.1@77.47,91.44 C54.1@77.47,92.71 C53.1@77.47,93.98 77.47,94.618 77.852,95 80.8,95 81.28,94.52 81.28,93.68 v1(83.252,93.68)
  Bottom Layer w0.5: v1(72.2,93.98) 82.952,93.98 v1(83.252,93.68)
-8V_TL_CH3: C74.1 C75.1 C76.1 R116.2 U4.11 | length 23.1
  Top Layer w0.5: v1(102.732,93.98) U4.11@104.484,93.98 ; C76.1@107.95,91.44 107.932,91.458 107.932,94.6 108.332,95 111.4,95 111.76,94.64 111.76,93.68 v1(113.732,93.68)
  Bottom Layer w0.5: v1(102.732,93.98) 102.752,94 113.412,94 v1(113.732,93.68)
-12V: C8.1 J1.15 P2.2 P4.3 | length 65.7
  Top Layer w0.5: C8.1@8.94,67.31 21.082,67.31 21.59,67.818 ; P4.3@17.78,74.93 21.082,74.93 21.59,74.422 21.59,67.818 ; P2.2@21.59,59.69 21.59,67.818
  Bottom Layer w0.5: J1.15@5.08,76.962 J1.15@5.08,77.47 3.67,77.47 3.2,77 3.2,67.61 3.81,67 10.468,67 10.922,67.454 10.922,74.262 11.59,74.93 P4.3@17.78,74.93
A0_2.5V: IC4.17 IC6.17 IC8.17 Q6.2 R20.2 | length 185.3
  Top Layer w0.3: Q6.2@16.2,10.6 16.2,11.2 16.43,11.43 v1(17.6,11.43) ; v1(42,49.2) 42,54.592 42.488,55.08 IC4.17@43.976,55.08 ; IC6.17@74.456,55.08 75.93,55.08 76.4,54.61 76.4,48.108 76.708,47.8 v1(77.6,47.8) 102,47.8 102.6,48.4 102.6,54.61 103.07,55.08 IC8.17@104.936,55.08
  Top Layer w0.35: Q6.2@16.2,10.6 16.2,7.66 R20.2@16.24,7.62
  Bottom Layer w0.3: v1(17.6,11.43) 17.4,11.23 17.4,10.8 17.2,10.6 3.4,10.6 2.8,11.2 2.8,44.2 3.4,44.8 28.6,44.8 29,45.2 29,48.6 29.6,49.2 v1(42,49.2) 42,48.17 42.37,47.8 v1(77.6,47.8)
A0_5V: IC2.5 Q6.3 R21.2 | length 8.9
  Top Layer w0.35: IC2.5@15.24,17.78 Q6.3@15.24,12.7 R21.2@19.05,12.7
A1_2.5V: IC4.16 IC6.16 IC8.16 Q11.2 R38.2 | length 106.1
  Top Layer w0.3: R38.2@34.02,39.37 v1(38.05,39.37) ; IC4.16@43.976,54.43 45.17,54.43 45.4,54.2 45.4,46.988 v1(45.447,46.941) ; IC6.16@74.456,54.43 75.6,54.43 75.9,54.13 75.9,47.3 v1(75.4,46.8) 102.8,46.8 103.4,47.4 103.4,54.2 103.63,54.43 IC8.16@104.936,54.43
  Top Layer w0.35: Q11.2@33.98,42.35 33.98,39.41 R38.2@34.02,39.37
  Bottom Layer w0.3: v1(38.05,39.37) 38.05,46.05 38.941,46.941 v1(45.447,46.941) 45.588,46.8 v1(75.4,46.8)
A1_5V: IC2.6 Q11.3 R39.2 | length 53.5
  Top Layer w0.35: Q11.3@33.02,44.45 35.19,44.45 ; v1(34.8,45.8) 34.8,44.84 35.19,44.45 ; R39.2@36.83,44.45 35.19,44.45
  Bottom Layer w0.35: IC2.6@17.78,17.78 17.78,26.18 18.2,26.6 36.4,26.6 36.8,27 36.8,45.2 36.2,45.8 v1(34.8,45.8)
A2_2.5V: IC4.15 IC6.15 IC8.15 Q7.2 R22.2 | length 97.6
  Top Layer w0.3: R22.2@41.69,39.37 45.37,39.37 46,40 46,45.386 46.614,46 ; IC4.15@43.976,53.78 43.976,46.624 44.6,46 46.614,46 ; IC6.15@74.456,53.78 74.456,46.456 74,46 ; IC8.15@104.936,53.78 104.936,46.536 104.4,46 74,46 ; 46.614,46 74,46
  Top Layer w0.35: Q7.2@41.65,42.35 41.65,39.41 R22.2@41.69,39.37
A2_5V: IC2.7 Q7.3 R23.2 | length 54.8
  Top Layer w0.35: Q7.3@40.69,44.45 43.2,44.45 ; v1(42.6,45.8) 42.6,45.05 43.2,44.45 ; R23.2@44.45,44.45 43.2,44.45
  Bottom Layer w0.35: IC2.7@20.32,17.78 20.32,24.92 20.8,25.4 38.82,25.4 39.37,25.95 39.37,45.37 39.8,45.8 v1(42.6,45.8)
A3_2.5V: IC4.14 IC6.14 IC8.14 Q12.2 R40.2 | length 180.5
  Top Layer w0.3: R40.2@23.86,7.62 v1(25.4,7.62) ; v1(38.05,51.6) IC4.14@38.05,53.73 ; v1(68.58,49.2) IC6.14@68.58,53.78 ; v1(99.06,49.2) IC8.14@99.06,53.78
  Top Layer w0.35: Q12.2@23.82,10.6 23.82,7.66 R40.2@23.86,7.62 ; IC4.14@38.05,53.73 IC4.14@38.1,53.78
  Bottom Layer w0.3: v1(25.4,7.62) 25.4,9.2 24.8,9.8 2.6,9.8 2.2,10.2 2.2,44.8 2.8,45.4 28,45.4 28.4,45.8 28.4,51.2 28.8,51.6 v1(38.05,51.6) 42.78,51.6 43.2,51.18 43.2,49.53 43.53,49.2 v1(68.58,49.2) v1(99.06,49.2)
CH1+: J1.8 P3.1 R49.1 R56.2 | length 39.1
  Top Layer w0.35: J1.8@7.62,87.63 9.992,87.63 10.5,87.122 10.5,85.512 10.922,85.09 P3.1@17.78,85.09 ; R56.2@29.21,74.93 R49.1@31.12,74.93 31.12,74.12 v1(30.4,73.4)
  Bottom Layer w0.35: P3.1@17.78,85.09 27.498,85.09 28.26,84.328 28.26,74.54 28.8,74 29.8,74 v1(30.4,73.4)
CH1+_ACON: C38.2 IC5.3 R50.2 | length 8.2
  Top Layer w0.35: C38.2@35.51,78.089 35.51,76.57 35.88,76.2 37.2,76.2 ; R50.2@36.83,74.93 36.83,75.83 37.2,76.2 ; IC5.3@40.64,76.2 37.2,76.2
CH1-: J1.9 P3.2 R72.1 R75.1 | length 39.7
  Top Layer w0.35: R72.1@29.2,81.29 R72.1@29.21,81.28 R75.1@31.12,81.28 31.12,80.52 v1(30.6,80)
  Bottom Layer w0.35: J1.9@5.08,85.09 6.35,83.82 9.652,83.82 10.16,84.328 10.16,87.122 10.668,87.63 P3.2@17.78,87.63 28.57,87.63 29.2,87 29.2,80.4 29.6,80 v1(30.6,80)
CH1-_ACON: C38.1 IC5.2 R76.2 | length 7.3
  Top Layer w0.35: R76.2@36.83,81.28 C38.1@36.83,78.089 37.481,78.74 IC5.2@40.64,78.74
CH2+: J1.5 P3.3 R83.1 R90.2 | length 71.3
  Top Layer w0.35: v1(56.29,74.93) R90.2@59.69,74.93 R83.1@61.6,74.93
  Bottom Layer w0.35: J1.5@5.08,90.17 5.08,89.662 5.842,88.9 10.922,88.9 12.192,90.17 P3.3@17.78,90.17 18.55,89.4 46.4,89.4 47.2,88.6 54.8,88.6 55.598,87.802 55.598,75.688 56.29,74.996 v1(56.29,74.93)
CH2+_ACON: C59.2 IC7.3 R84.2 | length 8.2
  Top Layer w0.35: C59.2@65.99,78.089 65.99,76.57 66.36,76.2 67.6,76.2 ; R84.2@67.31,74.93 67.31,75.91 67.6,76.2 ; IC7.3@71.12,76.2 67.6,76.2
CH2-: J1.6 P3.4 R106.1 R109.1 | length 66.6
  Top Layer w0.35: v1(57.6,81.28) R106.1@59.69,81.28 R109.1@61.6,81.28
  Bottom Layer w0.35: J1.6@7.62,90.17 9.652,90.17 10.16,90.678 10.16,92.202 10.668,92.71 P3.4@17.78,92.71 56.29,92.71 57,92 57,81.88 v1(57.6,81.28)
CH2-_ACON: C59.1 IC7.2 R110.2 | length 7.3
  Top Layer w0.35: R110.2@67.31,81.28 C59.1@67.31,78.089 67.961,78.74 IC7.2@71.12,78.74
CH3+: J1.2 P3.5 R117.1 R124.2 | length 105.8
  Top Layer w0.3: R124.2@90.17,74.93 R117.1@92.08,74.93
  Top Layer w0.35: v1(87,74.93) R124.2@90.17,74.93
  Bottom Layer w0.35: J1.2@7.62,95.25 P3.5@17.78,95.25 19.65,95.25 20.8,96.4 86,96.4 87,95.4 v1(87,74.93)
CH3+_ACON: C80.2 IC9.3 R118.2 | length 8.3
  Top Layer w0.35: C80.2@96.47,78.089 96.47,76.57 96.84,76.2 98.25,76.2 ; R118.2@97.79,74.93 97.79,75.74 98.25,76.2 ; IC9.3@101.6,76.2 98.25,76.2
CH3-: J1.3 P3.6 R140.1 R143.1 | length 111.4
  Top Layer w0.3: R140.1@90.17,81.28 R143.1@92.08,81.28
  Top Layer w0.35: v1(88.2,81.28) R140.1@90.17,81.28
  Bottom Layer w0.35: J1.3@5.08,92.71 3.556,92.71 3.302,92.964 3.302,97.282 3.81,97.79 P3.6@17.78,97.79 87.61,97.79 88.2,97.2 v1(88.2,81.28)
CH3-_ACON: C80.1 IC9.2 R144.2 | length 7.3
  Top Layer w0.35: R144.2@97.79,81.28 C80.1@97.79,78.089 100.949,78.089 IC9.2@101.6,78.74
CS_RPI_3.3V: Q10.2 R32.2 R36.2 | length 5.7
  Top Layer w0.35: R32.2@127.31,36.82 127.36,36.87 R36.2@127.36,39.55 127.32,39.59 Q10.2@127.32,42.53
CS_RPI_5V: IC2.4 Q10.3 R37.2 | length 185.6
  Top Layer w0.35: IC2.4@12.7,17.78 12.7,20.3 13.4,21 54.6,21 55.4,20.2 55.4,6.82 55.82,6.4 70.4,6.4 71.12,5.68 71.12,2.08 71.6,1.6 117.4,1.6 117.8,2 117.8,5.6 118.4,6.2 124.8,6.2 125.22,6.62 125.22,7.81 125.41,8 126.8,8 127.2,8.4 127.2,23.93 127.67,24.4 131,24.4 131.4,24.8 131.4,44.21 130.97,44.64 R37.2@129.9,44.64 129.89,44.63 Q10.3@126.36,44.63
EN_GPS: GPS1.7 IC2.19 | length 61.6
  Bottom Layer w0.35: IC2.19@50.8,17.78 50.8,22.8 51.4,23.4 96,23.4 96.52,23.92 GPS1.7@96.52,34.29